# Altium PCB CubeSat Backplane.PcbDoc (part 1 of 4) (continued)
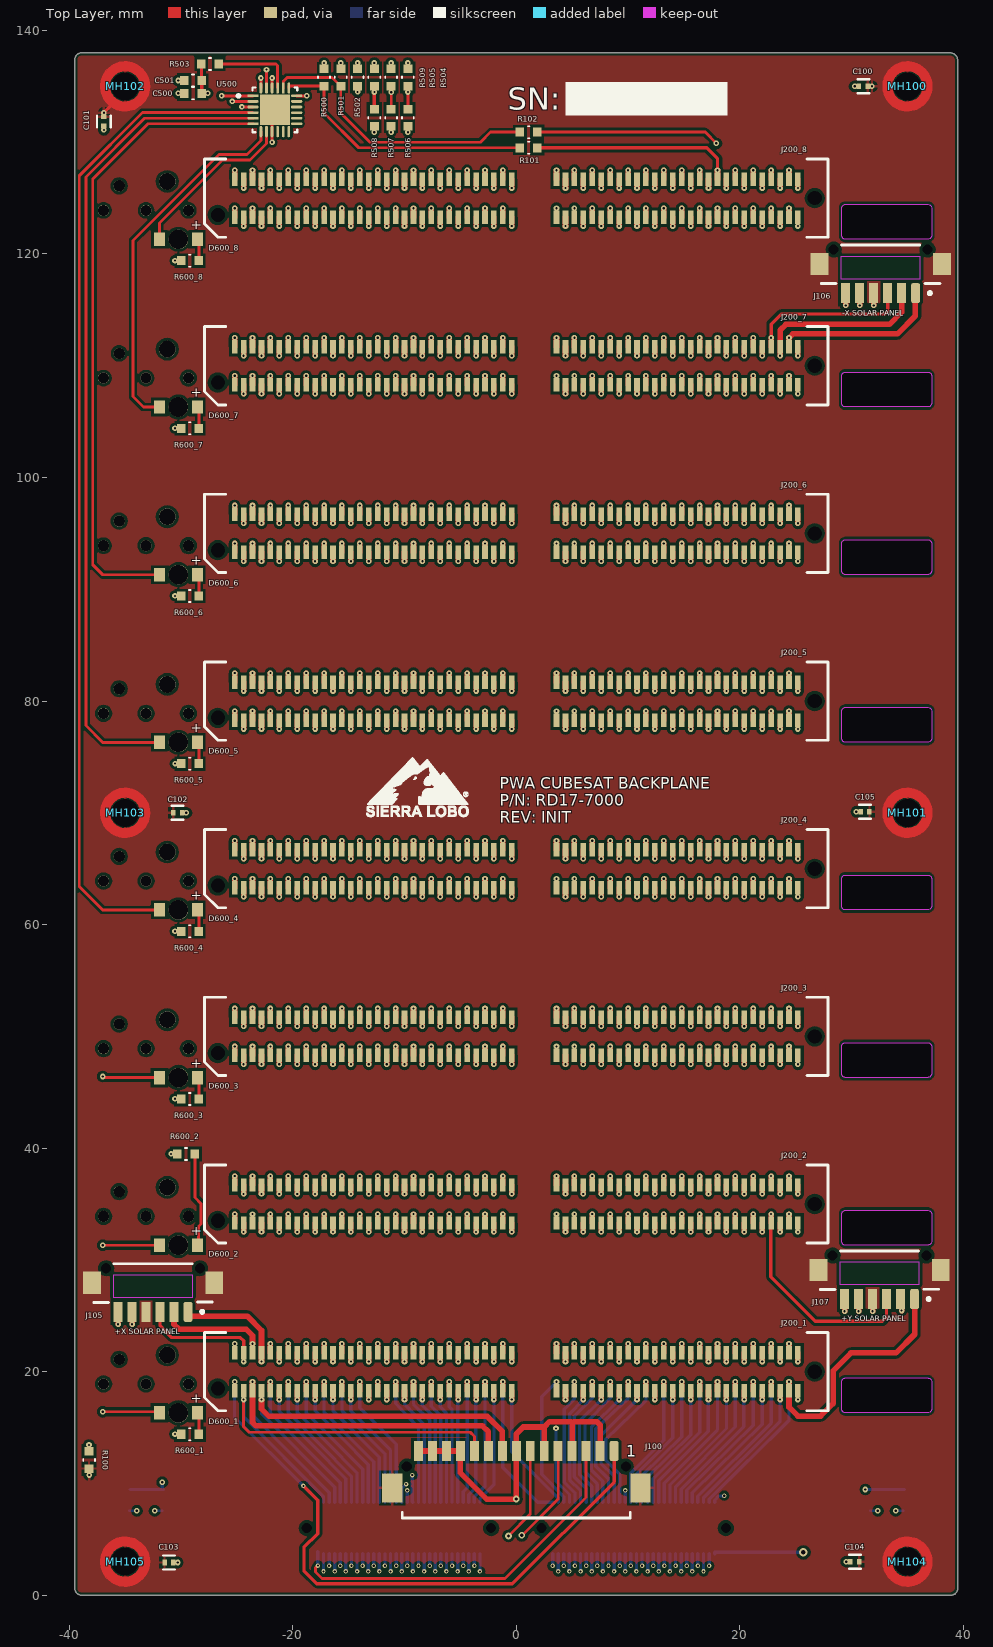
[diagram p0: Top Layer view]
## Components (designator, comment, footprint, x,y, rotation, side; value= is the part's Value field where it differs from the comment) (continued)
R600_3 "150R" 0603#2 -29.2,44.4 r180 top (schematic designator R600)
R600_4 "150R" 0603#2 -29.2,59.4 r180 top (schematic designator R600)
R600_5 "150R" 0603#2 -29.2,74.4 r180 top (schematic designator R600)
R600_6 "150R" 0603#2 -29.2,89.399 r180 top (schematic designator R600)
R600_7 "150R" 0603#2 -29.2,104.399 r180 top (schematic designator R600)
R600_8 "150R" 0603#1 -29.2,119.399 r180 top (schematic designator R600)
S100 "RESET" "KMT031 NGJ LHS" -33.15,8.5 r180 bottom
S101 "SELF TEST" "KMT031 NGJ LHS" 33.15,8.5 r180 bottom
U500 "LP3944ISQ/NOPB" LP3944ISQ/NOPB -21.6,132.9 r0 top
? "None" "SLI Logo 1" -13.474,69.606 r0 top

## Footprints (in the part's own frame and the unit in brackets; to place one, negate y for a bottom-side part, rotate by r counter-clockwise, add the part's x,y. Pads: shape width x height; smd on the part's side, far side on the other; paste and mask are expansions set on the pad)
0603#1 [mil] "Non-polarized"
  rect 29.78x32 smd: 1(-30.39,0) 2(30.39,0)
  silkscreen extent -3,-21 3,21, body extent -31,-16 32,16, height 16
0603#2 [mil] "Non-polarized"
  rect 29.78x32 smd paste+0 mask+0: 1(-30.39,0) 2(30.39,0)
  silkscreen extent -3,-21 3,21, body extent -31,-16 32,16, height 16
DF13-6P-1.25V(75) [mm] "CONN HEADER SMD 6POS 1.25MM, TH PINS"
  rrect50% 0.8x1.8 smd: 1(-3.125,0.9)
  rect 0.8x1.8 smd: 2(-1.875,0.9) 3(-0.625,0.9) 4(0.625,0.9) 5(1.875,0.9) 6(3.125,0.9)
  rect 1.6x2 smd: B(-5.475,-1.7) B(5.475,-1.7)
  round 0 hole 0.9 unplated: TH(-4.2,-3) TH(4.2,-3)
  Top Layer keep-out region: -3.556,-2.375 3.556,-2.375 3.556,-0.4 -3.556,-0.4
  silkscreen extent -5.3,-3.4 5.31,1.04, body extent -6.07,-3.4 6.07,1.5, height 4.81
DF13-15P-1.25H(75) [mm] "CONN HEADER SMD 15POS 1.25MM, RA - SMT"
  rrect50% 0.8x1.8 smd: 1(8.75,0.9)
  rect 0.8x1.8 smd: 2(7.5,0.9) 3(6.25,0.9) 4(5,0.9) 5(3.75,0.9) 6(2.5,0.9) 7(1.25,0.9) 8(0,0.9) 9(-1.25,0.9) 10(-2.5,0.9) 11(-3.75,0.9) 12(-5,0.9) 13(-6.25,0.9) 14(-7.5,0.9) 15(-8.75,0.9)
  rect 1.8x2.6 smd: B(-11.1,-2.4) B(11.1,-2.4)
  round 0 hole 0.9 unplated: TH(-9.8,-0.5) TH(9.8,-0.5)
  silkscreen extent -10.2,-5.1 10.2,-4.6, body extent -11.7,-5.1 11.7,1.4, height 3.62
FP-GRM15-MFG [mm]
  rect 0.4x0.5 smd paste+0 mask+0: 1(-0.4,0) 2(0.4,0)
  silkscreen extent -0.53,-0.63 0.53,0.63, body extent -0.7,-0.38 0.7,0.38, height 0.25
HSEC8-160-01-S-DV-A-K-TR#1 [mm] "120 Position Female Connector Non Specified - Dual Edge Gold 0.031\" (0.80mm) Black"
  rect 0.5x1.2 smd mask+0.05: 1(-25.2,-1.7) 2(-25.2,1.7) 3(-24.4,-1.7) 4(-24.4,1.7) 5(-23.6,-1.7) 6(-23.6,1.7) 7(-22.8,-1.7) 8(-22.8,1.7) 9(-22,-1.7) 10(-22,1.7) 11(-21.2,-1.7) 12(-21.2,1.7) 13(-20.4,-1.7) 14(-20.4,1.7) 15(-19.6,-1.7) 16(-19.6,1.7) 17(-18.8,-1.7) 18(-18.8,1.7) 19(-18,-1.7) 20(-18,1.7) 21(-17.2,-1.7) 22(-17.2,1.7) 23(-16.4,-1.7) 24(-16.4,1.7) 25(-15.6,-1.7) 26(-15.6,1.7) 27(-14.8,-1.7) 28(-14.8,1.7) 29(-14,-1.7) 30(-14,1.7) 31(-13.2,-1.7) 32(-13.2,1.7) 33(-12.4,-1.7) 34(-12.4,1.7) 35(-11.6,-1.7) 36(-11.6,1.7) 37(-10.8,-1.7) 38(-10.8,1.7) 39(-10,-1.7) 40(-10,1.7) 41(-9.2,-1.7) 42(-9.2,1.7) 43(-8.4,-1.7) 44(-8.4,1.7) 45(-7.6,-1.7) 46(-7.6,1.7) 47(-6.8,-1.7) 48(-6.8,1.7) 49(-6,-1.7) 50(-6,1.7) 51(-5.2,-1.7) 52(-5.2,1.7) 53(-4.4,-1.7) 54(-4.4,1.7) 55(-3.6,-1.7) 56(-3.6,1.7) 57(-2.8,-1.7) 58(-2.8,1.7) 59(-2,-1.7) 60(-2,1.7) 61(-1.2,-1.7) 62(-1.2,1.7) 63(-0.4,-1.7) 64(-0.4,1.7) 65(3.6,-1.7) 66(3.6,1.7) 67(4.4,-1.7) 68(4.4,1.7) 69(5.2,-1.7) 70(5.2,1.7) 71(6,-1.7) 72(6,1.7) 73(6.8,-1.7) 74(6.8,1.7) 75(7.6,-1.7) 76(7.6,1.7) 77(8.4,-1.7) 78(8.4,1.7) 79(9.2,-1.7) 80(9.2,1.7) 81(10,-1.7) 82(10,1.7) 83(10.8,-1.7) 84(10.8,1.7) 85(11.6,-1.7) 86(11.6,1.7) 87(12.4,-1.7) 88(12.4,1.7) 89(13.2,-1.7) 90(13.2,1.7) 91(14,-1.7) 92(14,1.7) 93(14.8,-1.7) 94(14.8,1.7) 95(15.6,-1.7) 96(15.6,1.7) 97(16.4,-1.7) 98(16.4,1.7) 99(17.2,-1.7) 100(17.2,1.7) 101(18,-1.7) 102(18,1.7) 103(18.8,-1.7) 104(18.8,1.7) 105(19.6,-1.7) 106(19.6,1.7) 107(20.4,-1.7) 108(20.4,1.7) 109(21.2,-1.7) 110(21.2,1.7) 111(22,-1.7) 112(22,1.7) 113(22.8,-1.7) 114(22.8,1.7) 115(23.6,-1.7) 116(23.6,1.7) 117(24.4,-1.7) 118(24.4,1.7) 119(25.2,-1.7) 120(25.2,1.7)
  round 0 hole 1.27 unplated: MH1(-26.7,-1.5) MH2(26.7,0)
  round 1 hole 1 unplated: TH(-36.93,-1.1) TH(-35.53,1.1) TH(-33.13,-1.1) TH(-29.33,-1.1)
  round 1.5 hole 1.5 unplated: TH(-31.23,1.49)
  Keep-Out Layer board cut-out: 37.157,-0.907 37.157,-3.343 37.131,-3.473 37.057,-3.583 36.947,-3.657 36.817,-3.683 36.817,-3.683 29.433,-3.683 29.32,-3.66 29.224,-3.596 29.159,-3.5 29.137,-3.387 29.137,-3.387 29.137,-0.863 29.177,-0.714 29.286,-0.605 29.435,-0.565 29.435,-0.565 36.815,-0.565 36.986,-0.611 37.111,-0.736 37.157,-0.907
  silkscreen extent -27.9,-3.5 27.9,3.5, body extent -27.9,-3.5 27.9,3.5, height 7.97
HSEC8-160-01-S-DV-A-K-TR#2 [mm] "120 Position Female Connector Non Specified - Dual Edge Gold 0.031\" (0.80mm) Black"
  rect 0.5x1.2 smd: 1(-25.2,-1.7) 2(-25.2,1.7) 3(-24.4,-1.7) 4(-24.4,1.7) 5(-23.6,-1.7) 6(-23.6,1.7) 7(-22.8,-1.7) 8(-22.8,1.7) 9(-22,-1.7) 10(-22,1.7) 11(-21.2,-1.7) 12(-21.2,1.7) 13(-20.4,-1.7) 14(-20.4,1.7) 15(-19.6,-1.7) 16(-19.6,1.7) 17(-18.8,-1.7) 18(-18.8,1.7) 19(-18,-1.7) 20(-18,1.7) 21(-17.2,-1.7) 22(-17.2,1.7) 23(-16.4,-1.7) 24(-16.4,1.7) 25(-15.6,-1.7) 26(-15.6,1.7) 27(-14.8,-1.7) 28(-14.8,1.7) 29(-14,-1.7) 30(-14,1.7) 31(-13.2,-1.7) 32(-13.2,1.7) 33(-12.4,-1.7) 34(-12.4,1.7) 35(-11.6,-1.7) 36(-11.6,1.7) 37(-10.8,-1.7) 38(-10.8,1.7) 39(-10,-1.7) 40(-10,1.7) 41(-9.2,-1.7) 42(-9.2,1.7) 43(-8.4,-1.7) 44(-8.4,1.7) 45(-7.6,-1.7) 46(-7.6,1.7) 47(-6.8,-1.7) 48(-6.8,1.7) 49(-6,-1.7) 50(-6,1.7) 51(-5.2,-1.7) 52(-5.2,1.7) 53(-4.4,-1.7) 54(-4.4,1.7) 55(-3.6,-1.7) 56(-3.6,1.7) 57(-2.8,-1.7) 58(-2.8,1.7) 59(-2,-1.7) 60(-2,1.7) 61(-1.2,-1.7) 62(-1.2,1.7) 63(-0.4,-1.7) 64(-0.4,1.7) 65(3.6,-1.7) 66(3.6,1.7) 67(4.4,-1.7) 68(4.4,1.7) 69(5.2,-1.7) 70(5.2,1.7) 71(6,-1.7) 72(6,1.7) 73(6.8,-1.7) 74(6.8,1.7) 75(7.6,-1.7) 76(7.6,1.7) 77(8.4,-1.7) 78(8.4,1.7) 79(9.2,-1.7) 80(9.2,1.7) 81(10,-1.7) 82(10,1.7) 83(10.8,-1.7) 84(10.8,1.7) 85(11.6,-1.7) 86(11.6,1.7) 87(12.4,-1.7) 88(12.4,1.7) 89(13.2,-1.7) 90(13.2,1.7) 91(14,-1.7) 92(14,1.7) 93(14.8,-1.7) 94(14.8,1.7) 95(15.6,-1.7) 96(15.6,1.7) 97(16.4,-1.7) 98(16.4,1.7) 99(17.2,-1.7) 100(17.2,1.7) 101(18,-1.7) 102(18,1.7) 103(18.8,-1.7) 104(18.8,1.7) 105(19.6,-1.7) 106(19.6,1.7) 107(20.4,-1.7) 108(20.4,1.7) 109(21.2,-1.7) 110(21.2,1.7) 111(22,-1.7) 112(22,1.7) 113(22.8,-1.7) 114(22.8,1.7) 115(23.6,-1.7) 116(23.6,1.7) 117(24.4,-1.7) 118(24.4,1.7) 119(25.2,-1.7) 120(25.2,1.7)
  round 0 hole 1.27 unplated: MH1(-26.7,-1.5) MH2(26.7,0)
  round 1 hole 1 unplated: TH(-36.93,-1.1) TH(-35.53,1.1) TH(-33.13,-1.1) TH(-29.33,-1.1)
  round 1.5 hole 1.5 unplated: TH(-31.23,1.49)
  Keep-Out Layer board cut-out: 37.157,-0.907 37.157,-3.343 37.131,-3.473 37.057,-3.583 36.947,-3.657 36.817,-3.683 36.817,-3.683 29.433,-3.683 29.32,-3.66 29.224,-3.596 29.159,-3.5 29.137,-3.387 29.137,-3.387 29.137,-0.863 29.177,-0.714 29.286,-0.605 29.435,-0.565 29.435,-0.565 36.815,-0.565 36.986,-0.611 37.111,-0.736 37.157,-0.907
  silkscreen extent -27.9,-3.5 27.9,3.5, body extent -27.9,-3.5 27.9,3.5, height 7.97
"KMT031 NGJ LHS" [mm] "SWITCH TACTILE SPST-NO 0.05A 32V"
  rect 0.65x0.7 smd: 1(-1.475,0.95) 1(1.475,0.95) 2(-1.475,-0.95) 2(1.475,-0.95)
  silkscreen extent -2.25,-1.75 2.25,1.75, body extent -1.7,-1.3 1.7,1.3, height 0.69
LP3944ISQ/NOPB [mm] "24WQFN"
  rect 1.01x0.242 smd paste+0 mask+0: 1(-1.951,1.25)
  rrect100% 1.01x0.242 smd paste+0 mask+0: 2(-1.951,0.75) 3(-1.951,0.25) 4(-1.951,-0.25) 5(-1.951,-0.75) 6(-1.951,-1.25) 13(1.951,-1.25) 14(1.951,-0.75) 15(1.951,-0.25) 16(1.951,0.25) 17(1.951,0.75) 18(1.951,1.25)
  rrect100% 0.242x1.01 smd paste+0 mask+0: 7(-1.25,-1.951) 8(-0.75,-1.951)
  rrect100% 0.242x1.01 smd: 9(-0.25,-1.951) 10(0.25,-1.951) 11(0.75,-1.951) 12(1.25,-1.951) 19(1.25,1.951) 20(0.75,1.951) 21(0.25,1.951) 22(-0.25,1.951) 23(-0.75,1.951) 24(-1.25,1.951)
  rect 2.7x2.7 smd: 25(0,0)
  silkscreen extent -3.38,-2 2,2, body extent -2.96,-2.96 2.96,2.96, height 0.25
"M3_NPTH/W PAD" [mm] "M3 through-hole"
  round 0 hole 2.5 unplated: MH(0,0)
  Top Layer circle w0.9: c0,0 r1.8
RES_603#1 [mil] "0603 Resistor"
  rect 29.78x32 smd paste+0 mask+0: 1(-30.39,0) 2(30.39,0)
  silkscreen extent -3,-21 3,21, body extent -31,-16 32,16, height 16
RES_603#2 [mil] "0603 Resistor"
  rect 29.78x32 smd: 1(-30.39,0) 2(30.39,0)
  silkscreen extent -3,-21 3,21, body extent -31,-16 32,16, height 16
"SLI Logo 1" [mm] "SLI Logo, 0.375\""
  silkscreen extent 0.04,0.06 9.22,5.37
TLH-030-0.50-G-D-A [mm] "Board to Board & Mezzanine Connectors 0.50 mm Razor Beam LP Ultra Low Profile Terminal Strip"
  rect 0.3x0.7 smd: 1(-7.25,-2.3) 2(-7.25,2.3) 3(-6.75,-2.3) 4(-6.75,2.3) 5(-6.25,-2.3) 6(-6.25,2.3) 7(-5.75,-2.3) 8(-5.75,2.3) 9(-5.25,-2.3) 10(-5.25,2.3) 11(-4.75,-2.3) 12(-4.75,2.3) 13(-4.25,-2.3) 14(-4.25,2.3) 15(-3.75,-2.3) 16(-3.75,2.3) 17(-3.25,-2.3) 18(-3.25,2.3) 19(-2.75,-2.3) 20(-2.75,2.3) 21(-2.25,-2.3) 22(-2.25,2.3) 23(-1.75,-2.3) 24(-1.75,2.3) 25(-1.25,-2.3) 26(-1.25,2.3) 27(-0.75,-2.3) 28(-0.75,2.3) 29(-0.25,-2.3) 30(-0.25,2.3) 31(0.25,-2.3) 32(0.25,2.3) 33(0.75,-2.3) 34(0.75,2.3) 35(1.25,-2.3) 36(1.25,2.3) 37(1.75,-2.3) 38(1.75,2.3) 39(2.25,-2.3) 40(2.25,2.3) 41(2.75,-2.3) 42(2.75,2.3) 43(3.25,-2.3) 44(3.25,2.3) 45(3.75,-2.3) 46(3.75,2.3) 47(4.25,-2.3) 48(4.25,2.3) 49(4.75,-2.3) 50(4.75,2.3) 51(5.25,-2.3) 52(5.25,2.3) 53(5.75,-2.3) 54(5.75,2.3) 55(6.25,-2.3) 56(6.25,2.3) 57(6.75,-2.3) 58(6.75,2.3) 59(7.25,-2.3) 60(7.25,2.3)
  round 0 hole 0.9 unplated: TH(-8.25,0) TH(8.25,0)
  Top Layer keep-out region: -7.5,1.651 7.5,1.651 7.5,-1.651 -7.5,-1.651
  silkscreen extent -9,-2.5 9,2.5, body extent -9,-2.5 9,2.5, height 1.82
WL-SMRW_1205_BLU#1 [mm] "SMD BLU Reverse mount Waterclear, body 3.2x1.2mm"
  rect 1x1.2 smd mask+0.08: A(1.7,0) K(-1.7,0)
  round 1.75 hole 1.75 unplated mask+0: MH1(0,0)
  body extent -1.6,-0.6 1.6,0.6, height 0.28
WL-SMRW_1205_BLU#2 [mm] "SMD BLU Reverse mount Waterclear, body 3.2x1.2mm"
  rect 1x1.2 smd: A(1.7,0) K(-1.7,0)
  round 1.75 hole 1.75 unplated: MH1(0,0)
  body extent -1.6,-0.6 1.6,0.6, height 0.28

## Part data
C100 C101 C102 C103 C104 C105: library part CMP-2100-03641-2, "CAP CER 0.1UF 16V X7R 0402", Capacitance=0.10μF, Case Code (Imperial)=0402, Case Code (Metric)=1005, Dielectric=X7R, Dielectric Material=Ceramic, Insulation Resistance=10GR, Manufacturer=Murata, Max Operating Temperature=125°C, Min Operating Temperature=-55°C, Package=GRM15, Package Quantity=1, Supplier Part Number 1=490-3261-1-ND, Temperature="-55°C to +125°C", Temperature Range High=+125°C, Tolerance=10%, VOLTAGE=16V, Voltage Rating=16Vdc, Case/Package=0402, Category=Cap, ComponentLink1Description=https://datasheet.ciiva.com/129/grm155r71c104ka88-01-129739.pdf?src-supplier=Digi-Key, ComponentLink1URL=https://datasheet.ciiva.com/129/grm155r71c104ka88-01-129739.pdf?src-supplier=Digi-Key, ComponentLink2Description=Datasheet, ComponentLink2URL=https://search.murata.co.jp/Ceramy/image/img/A01X/G101/ENG/GRM155R71H471KA01-01A.pdf, ComponentLink3Description=https://datasheet.ciiva.com/129/grm155r71c104ka88-01-129740.pdf?src-supplier=Digi-Key, ComponentLink3URL=https://datasheet.ciiva.com/129/grm155r71c104ka88-01-129740.pdf?src-supplier=Digi-Key, ComponentLink4Description=https://datasheet.ciiva.com/18102/getdatasheetpartid-85307-18102905.pdf?src-supplier=Verical, ComponentLink4URL=https://datasheet.ciiva.com/18102/getdatasheetpartid-85307-18102905.pdf?src-supplier=Verical, ComponentLink5Description=https://datasheet.ciiva.com/29199/454098-da-01-en-vs-kondensator-0402-29199799.pdf?src-supplier=Conrad, ComponentLink5URL=https://datasheet.ciiva.com/29199/454098-da-01-en-vs-kondensator-0402-29199799.pdf?src-supplier=Conrad, ComponentLink6Description=https://datasheet.ciiva.com/14103/grmseries-highdielectrictype-eng-14103750.pdf?src-supplier=Distrelec, ComponentLink6URL=https://datasheet.ciiva.com/14103/grmseries-highdielectrictype-eng-14103750.pdf?src-supplier=Distrelec, ComponentLink7Description=https://datasheet.ciiva.com/14116/grmseries-highdielectrictype-eng-14116878.pdf?src-supplier=Distrelec, ComponentLink7URL=https://datasheet.ciiva.com/14116/grmseries-highdielectrictype-eng-14116878.pdf?src-supplier=Distrelec, ComponentLink8Description=https://datasheet.ciiva.com/16199/product-16199000.pdf?src-supplier=Future+Electronics, ComponentLink8URL=https://datasheet.ciiva.com/16199/product-16199000.pdf?src-supplier=Future+Electronics, ComponentLink9Description=https://datasheet.ciiva.com/28534/4360-28534127.pdf?src-supplier=Element14, ComponentLink9URL=https://datasheet.ciiva.com/28534/4360-28534127.pdf?src-supplier=Element14, ComponentLink10Description=https://datasheet.ciiva.com/28534/4360-28534133.pdf?src-supplier=Element14, ComponentLink10URL=https://datasheet.ciiva.com/28534/4360-28534133.pdf?src-supplier=Element14, ComponentLink11Description=https://datasheet.ciiva.com/7937/4360-7937615.pdf?src-supplier=Element14, ComponentLink11URL=https://datasheet.ciiva.com/7937/4360-7937615.pdf?src-supplier=Element14, Depth=0.5mm, Device Class L1="Passive Components", Device Class L2=Capacitors, Device Class L3="Ceramic Capacitors", Digikey Description="CAP CER 0.1UF 16V X7R 0402", Height=0.55mm, Ipc Land Pattern Name=CAPC10050X219, Lead Free=yes, Length=1mm, Manufacturer Part Number=GRM155R71C104KA88D, Material=Ceramic, Mount="Surface Mount", Mouser Description="0402 0.1 uF 16V ±10 % Tolerance X7R SMT Multilayer Ceramic Capacitor", Number of Pins=2, Octopart=https://octopart.com/grm155r71c104ka88d-murata-196880, Packaging="Tape and Reel", Pricing 1="1=0.10000, 10=0.02200, 50=0.01180, 100=0.00960, 500=0.00684, 1000=0.00538, 2500=0.00489, 5000=0.00450 (USD)", Radiation Hardening=No, REACH SVHC="No SVHC", RoHS=TRUE, RoHS Compliant=Yes, Standoff Height=0mm, Stock 1=161805, Supplier 1=Digi-Key, Temperature Characteristic=X7R, Temperature Range Low=-55°C, Termination=SMD/SMT, Thickness=0.022inch, Voltage Rating (DC)=16V, Width=0.5mm
C500: library part CAP, "Cap Ceramic 0.1uF 16V Y5V -20% to 80% SMD 0603 85C Paper T/R", Case/Package=0603, Case Code (Metric)=1608, Dielectric=Y5V, Manufacturer 1=Samsung, Manufacturer Part Number 1=CL10F104ZO8NNNC, Max Operating Temperature=85°C, Min Operating Temperature=-30°C, Package Quantity=1, Supplier Part Number 1=1276-1258-1-ND, Tolerance=80%, Voltage Rating=16V, Case Code (Imperial)=0603, ComponentLink1Description=https://datasheet.ciiva.com/25805/cl10f104zo8nnnc-25805810.pdf?src-supplier=Digi-Key, ComponentLink1URL=https://datasheet.ciiva.com/25805/cl10f104zo8nnnc-25805810.pdf?src-supplier=Digi-Key, ComponentLink2Description=https://datasheet.ciiva.com/16199/cl10f104zo8nnnc-16199254.pdf?src-supplier=Future+Electronics, ComponentLink2URL=https://datasheet.ciiva.com/16199/cl10f104zo8nnnc-16199254.pdf?src-supplier=Future+Electronics, Depth=0.8mm, Height=0.8mm, Length=1.6mm, Mount="Surface Mount", Packaging="Tape and Reel", Pricing 1="1=0.10000, 10=0.03000, 100=0.01360, 500=0.00970, 1000=0.00762 (USD)", Radiation Hardening=No, RoHS=Yes, Stock 1=7828239, Supplier 1=Digi-Key, Thickness=0.035inch, Width=0.031inch
C501: library part CAP, "CAP CER 1UF 16V X7R 0603", Case/Package=0603, Case Code (Metric)=1608, Manufacturer 1=Samsung, Manufacturer Part Number 1=CL10B105MO8NNWC, Max Operating Temperature=125°C, Min Operating Temperature=-55°C, Supplier Part Number 1=1276-6524-1-ND, Tolerance=20%, Voltage Rating=16V, Case Code (Imperial)=0603, ComponentLink1Description=http://www.samsungsem.com/kr/support/product-search/mlcc/CL10B105MO8NNWC.jsp?src-supplier=Digi-Key, ComponentLink1URL=http://www.samsungsem.com/kr/support/product-search/mlcc/CL10B105MO8NNWC.jsp?src-supplier=Digi-Key, Length=0.063inch, Mount="Surface Mount", Packaging="Tape and Reel", Pricing 1="1=0.10000, 10=0.04200, 100=0.01860, 500=0.01330, 1000=0.01045 (USD)", RoHS=Yes, Stock 1=9891972, Supplier 1=Digi-Key, Thickness=0.035inch, Width=0.031inch
D600_1 D600_2 D600_3 D600_4 D600_5 D600_6 D600_7 D600_8: library part 156125BS75000, "WL-SMRW SMD MONO-COLOR REVERSE MOUNT. Blue 470nm LED Indication - Discrete 3.2V 1205 (3212 Metric)", Manufacturer 1="Wurth Electronics", Supplier Part Number 1=732-13392-1-ND, Manufacturer Part Number 1=156125BS75000, Pricing 1="1=0.40000, 10=0.34800, 100=0.31000, 500=0.28200, 1000=0.26156 (USD)", RoHS=No, Stock 1=2740, Supplier 1=Digi-Key
J100: library part DF13C-15P-1.25x, "CONN HEADER SMD R/A 15POS 1.25MM", Current Rating=1A, Flammability Rating="UL94 V-0", Insulation Color=Beige, Manufacturer=Hirose, Manufacturer Part Number=DF13C-15P-1.25V(76), Max Operating Temperature=85°C, Min Operating Temperature=-35°C, Supplier Part Number 1=H126460-ND, Voltage Rating=150V, Category=Connectors, ComponentLink1Description=https://www.hirose.com/product/en/download_file/key_name/DF13/category/Catalog/doc_file_id/31687/?file_category_id=4&amp;item_id=38&amp;is_series=1&src-supplier=Digi-Key, ComponentLink1URL=https://www.hirose.com/product/en/download_file/key_name/DF13/category/Catalog/doc_file_id/31687/?file_category_id=4&amp;item_id=38&amp;is_series=1&src-supplier=Digi-Key, ComponentLink2Description=https://www.hirose.com/product/download/?distributor=digikey&amp;type=2d&amp;lang=en&amp;num=DF13-15P-1.25H(75)&src-supplier=Digi-Key, ComponentLink2URL=https://www.hirose.com/product/download/?distributor=digikey&amp;type=2d&amp;lang=en&amp;num=DF13-15P-1.25H(75)&src-supplier=Digi-Key, Connector Type="Header,Male Pin", Contact Material=Brass, Contact Plating=Gold, Contact Shape=Square, Fastening Type=Detent, Insulation Material=Nylon, Mount="Surface Mount", Number of Positions=15, Number of Rows=1, Packaging=Rail/Tube, Pricing 1="1=1.61000, 20=1.46000, 80=1.25138, 440=1.04282, 960=0.89385, 4900=0.79255, 9800=0.77467 (USD)", Pricing 2="1=0.91000, 20=0.76700, 80=0.68888, 440=0.56359, 960=0.50096, 4900=0.43834, 9800=0.41642 (USD)", RoHS=No, RoHS Compliant=Yes, Stock 1=228, Stock 2=124, Supplier 1=Digi-Key, Supplier 2=Digi-Key, Supplier Part Number 2=H126385-ND, Termination=Solder
J105 J106 J107: library part DF13-6P-1.25V(76), "CONN HEADER SMD 6POS 1.25MM", Manufacturer 1=Hirose, Supplier Part Number 1=H126413-ND, Manufacturer Part Number 1=DF13-6P-1.25V(76), Pricing 1="1=0.90000, 10=0.79100, 100=0.68200, 500=0.55800, 1000=0.49600 (USD)", RoHS=No, Stock 1=484, Supplier 1=Digi-Key
J200_1 J200_2 J200_3 J200_4 J200_5 J200_6 J200_7 J200_8: "120 Position Female Connector Non Specified - Dual Edge Gold 0.031\" (0.80mm) Black", Color=Black, Manufacturer 1=Samtec, Max Current Rating=3.1A, Max Operating Temperature=125°C, Min Operating Temperature=-55°C, Supplier Part Number 1=SAM13191CT-ND, Card Thickness=0.062inch, ComponentLink1Description=https://datasheet.ciiva.com/10924/hsec8-dv-10924587.pdf?src-supplier=Avnet, ComponentLink1URL=https://datasheet.ciiva.com/10924/hsec8-dv-10924587.pdf?src-supplier=Avnet, ComponentLink2Description=https://datasheet.ciiva.com/437/hsec8-1xxx-xx-xx-dv-x-xx-mkt-437503.pdf?src-supplier=Digi-Key, ComponentLink2URL=https://datasheet.ciiva.com/437/hsec8-1xxx-xx-xx-dv-x-xx-mkt-437503.pdf?src-supplier=Digi-Key, ComponentLink3Description=https://datasheet.ciiva.com/16666/hsec8-dv-16666399.pdf?src-supplier=Avnet+Europe, ComponentLink3URL=https://datasheet.ciiva.com/16666/hsec8-dv-16666399.pdf?src-supplier=Avnet+Europe, Connector Type=Cantilever, Contact Material=Copper, Contact Plating=Gold, Gender=Female, Housing Color=Black, Housing Material=Polymer, Insulation Material=Polymer, Manufacturer Part Number 1=HSEC8-160-01-S-DV-A-K-TR, Mount="Surface Mount", Number of Contacts=120, Number of Positions=120, Number of Rows=2, Orientation=Straight, Packaging="Tape and Reel", Pitch=0.8mm, Pricing 1="1=7.87000, 10=7.53900, 25=6.88400, 50=6.55600, 100=6.22820 (USD)", Radiation Hardening=No, RoHS=Yes, Stock 1=14, Supplier 1=Digi-Key, System=Connector, Termination=Solder
J300 J301: "Board to Board & Mezzanine Connectors 0.50 mm Razor Beam LP Ultra Low Profile Terminal Strip", Manufacturer 1=Samtec, Manufacturer Part Number 1=TLH-030-0.50-G-D-A, Pricing 1="1=4.48781, 10=4.38095, 25=4.28572, 50=4.18816, 100=3.93162 (USD)", RoHS=No, Stock 1=0, Supplier 1=Avnet, Supplier Part Number 1=TLH-030-0.50-G-D-A, System=Connector
MH100 MH101 MH102 MH103 MH104 MH105: library part "Mounting Hole"
R100: library part RES1, "RES SMD 0 OHM JUMPER 1/10W 0603", Case/Package=0603, Case Code (Metric)=1608, Manufacturer 1=Yageo, Manufacturer Part Number 1=RC0603JR-070RL, Max Operating Temperature=155°C, Min Operating Temperature=-55°C, Package Quantity=5000, Power Rating=100mW, Supplier Part Number 1=311-0.0GRCT-ND, Temperature Coefficient=200ppm/°C, Tolerance=1%, Voltage Rating=50V, Case Code (Imperial)=0603, ComponentLink1Description=https://datasheet.ciiva.com/11808/pyu-r-int-6-11808700.pdf?src-supplier=RSComponents, ComponentLink1URL=https://datasheet.ciiva.com/11808/pyu-r-int-6-11808700.pdf?src-supplier=RSComponents, ComponentLink2Description=https://datasheet.ciiva.com/7746/1738695-7746421.pdf?src-supplier=Element14, ComponentLink2URL=https://datasheet.ciiva.com/7746/1738695-7746421.pdf?src-supplier=Element14, ComponentLink3Description=https://datasheet.ciiva.com/8883/pyu-rc0603-51-rohs-l-4-8883045.pdf?src-supplier=Avnet, ComponentLink3URL=https://datasheet.ciiva.com/8883/pyu-rc0603-51-rohs-l-4-8883045.pdf?src-supplier=Avnet, ComponentLink4Description=https://datasheet.ciiva.com/15189/getdatasheetpartid-329462-15189845.pdf?src-supplier=Verical, ComponentLink4URL=https://datasheet.ciiva.com/15189/getdatasheetpartid-329462-15189845.pdf?src-supplier=Verical, ComponentLink5Description=https://datasheet.ciiva.com/7746/1738695-7746422.pdf?src-supplier=Element14, ComponentLink5URL=https://datasheet.ciiva.com/7746/1738695-7746422.pdf?src-supplier=Element14, ComponentLink6Description=https://datasheet.ciiva.com/12555/rc0603-272842-12555254.pdf?src-supplier=Mouser, ComponentLink6URL=https://datasheet.ciiva.com/12555/rc0603-272842-12555254.pdf?src-supplier=Mouser, ComponentLink7Description=https://datasheet.ciiva.com/22747/443971-22747530.pdf?src-supplier=Element14, ComponentLink7URL=https://datasheet.ciiva.com/22747/443971-22747530.pdf?src-supplier=Element14, Composition="Thick Film", Contact Plating=Tin,Matte, Depth=0.8mm, Height=0.45mm, Lead Free="Lead Free", Length=1.6mm, Military Standard=Not, Number of Pins=2, Packaging="Tape and Reel", Pricing 1="1=0.10000, 10=0.01800, 25=0.01320, 50=0.01000, 100=0.00730, 250=0.00560, 500=0.00448, 1000=0.00329 (USD)", Radiation Hardening=No, REACH SVHC="No SVHC", RoHS=Yes, Stock 1=37679871, Supplier 1=Digi-Key, Termination=SMD/SMT, Voltage Rating (DC)=50V, Width=0.8mm